# Altium PCB 4WD_V1.0 - 10x10.PcbDoc
Units mm, origin at the board's own origin, x right, y up, seen from the top; angles counter-clockwise.
Board outline 100 x 100 mm, 2 copper layers (Top Layer, Bottom Layer); 49 components, 40 nets, 181 pads, 0 vias.
Unrouted connection lines stored in the file: 127.
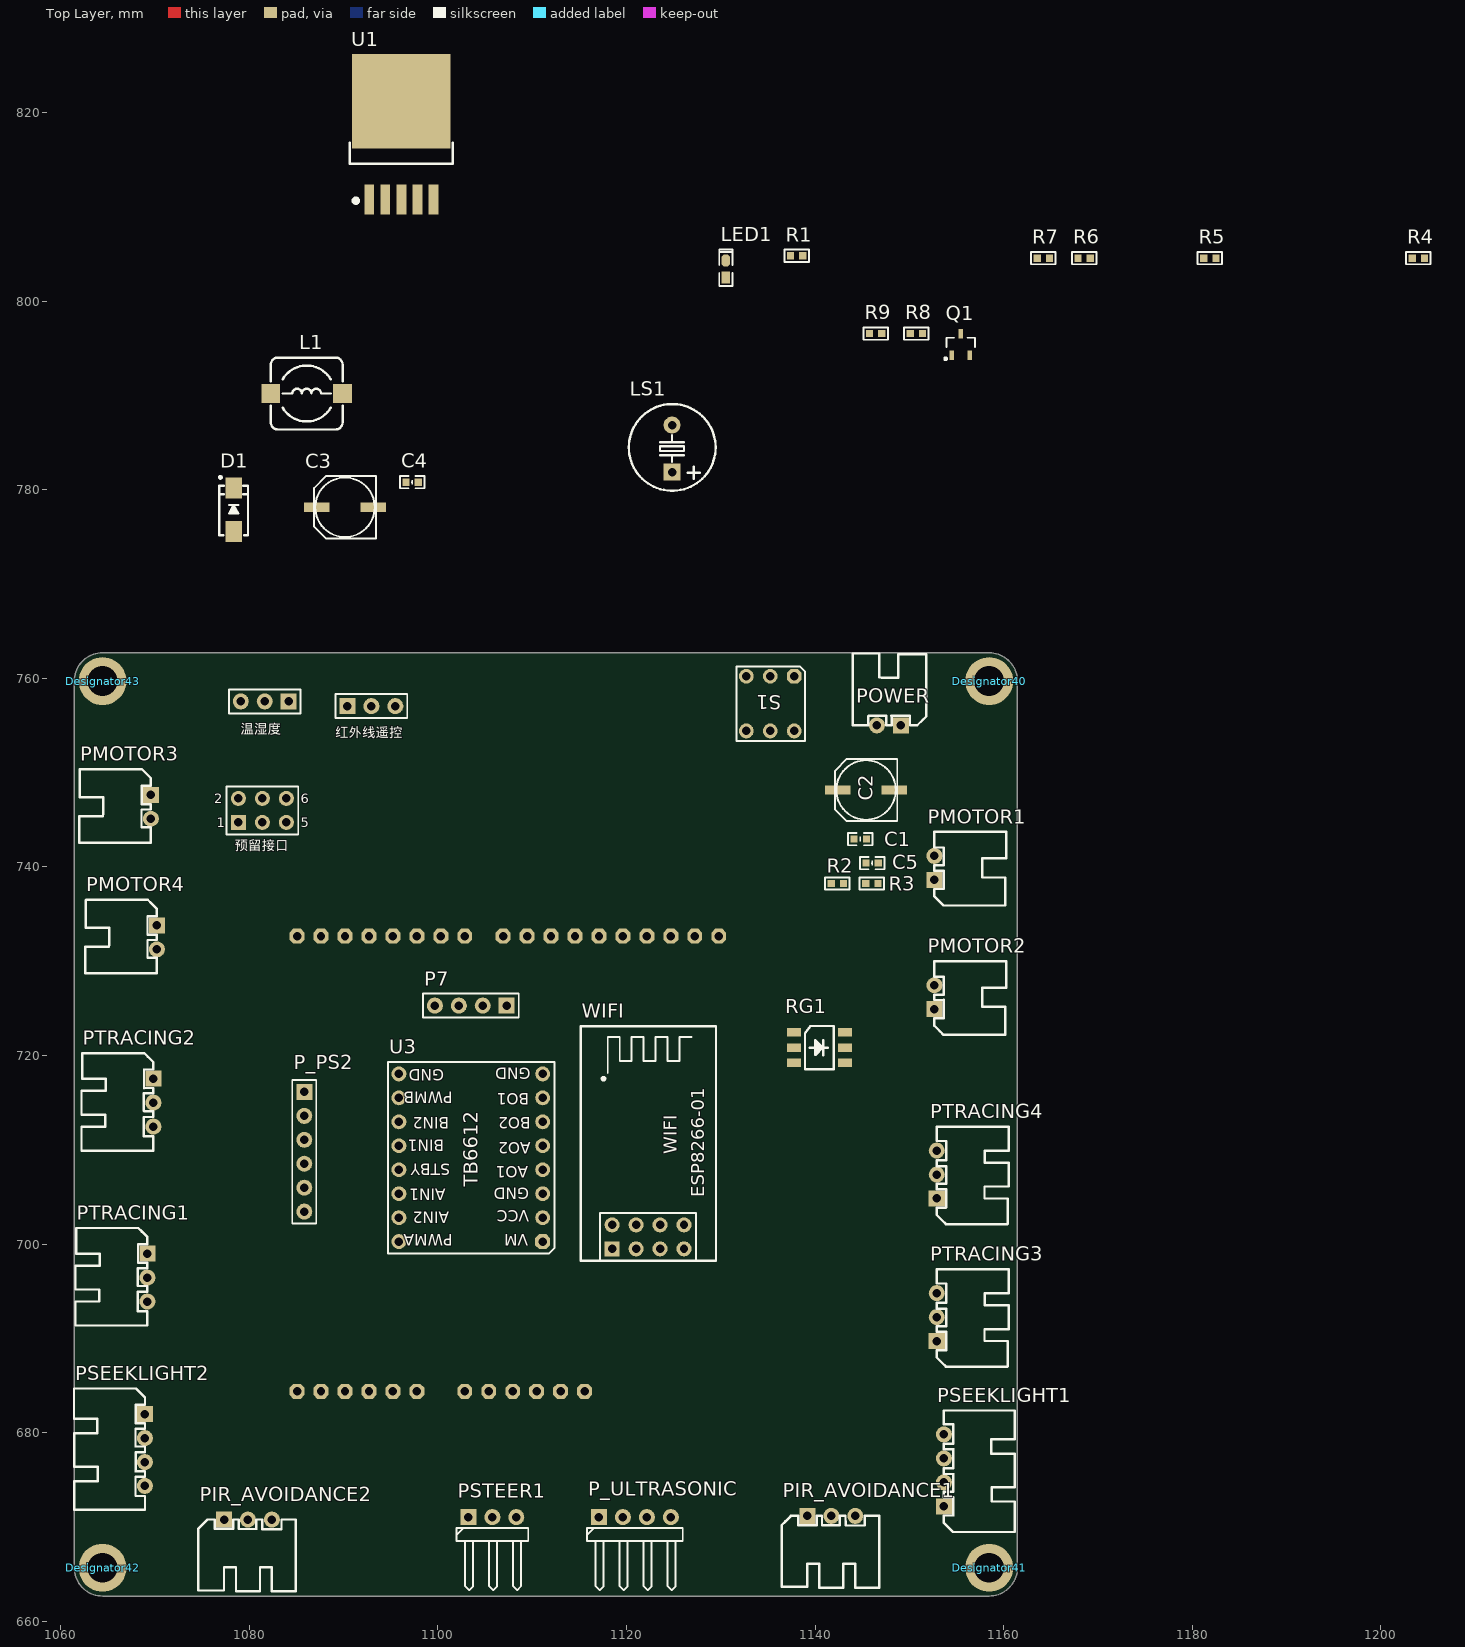
[diagram p0: Top Layer view]
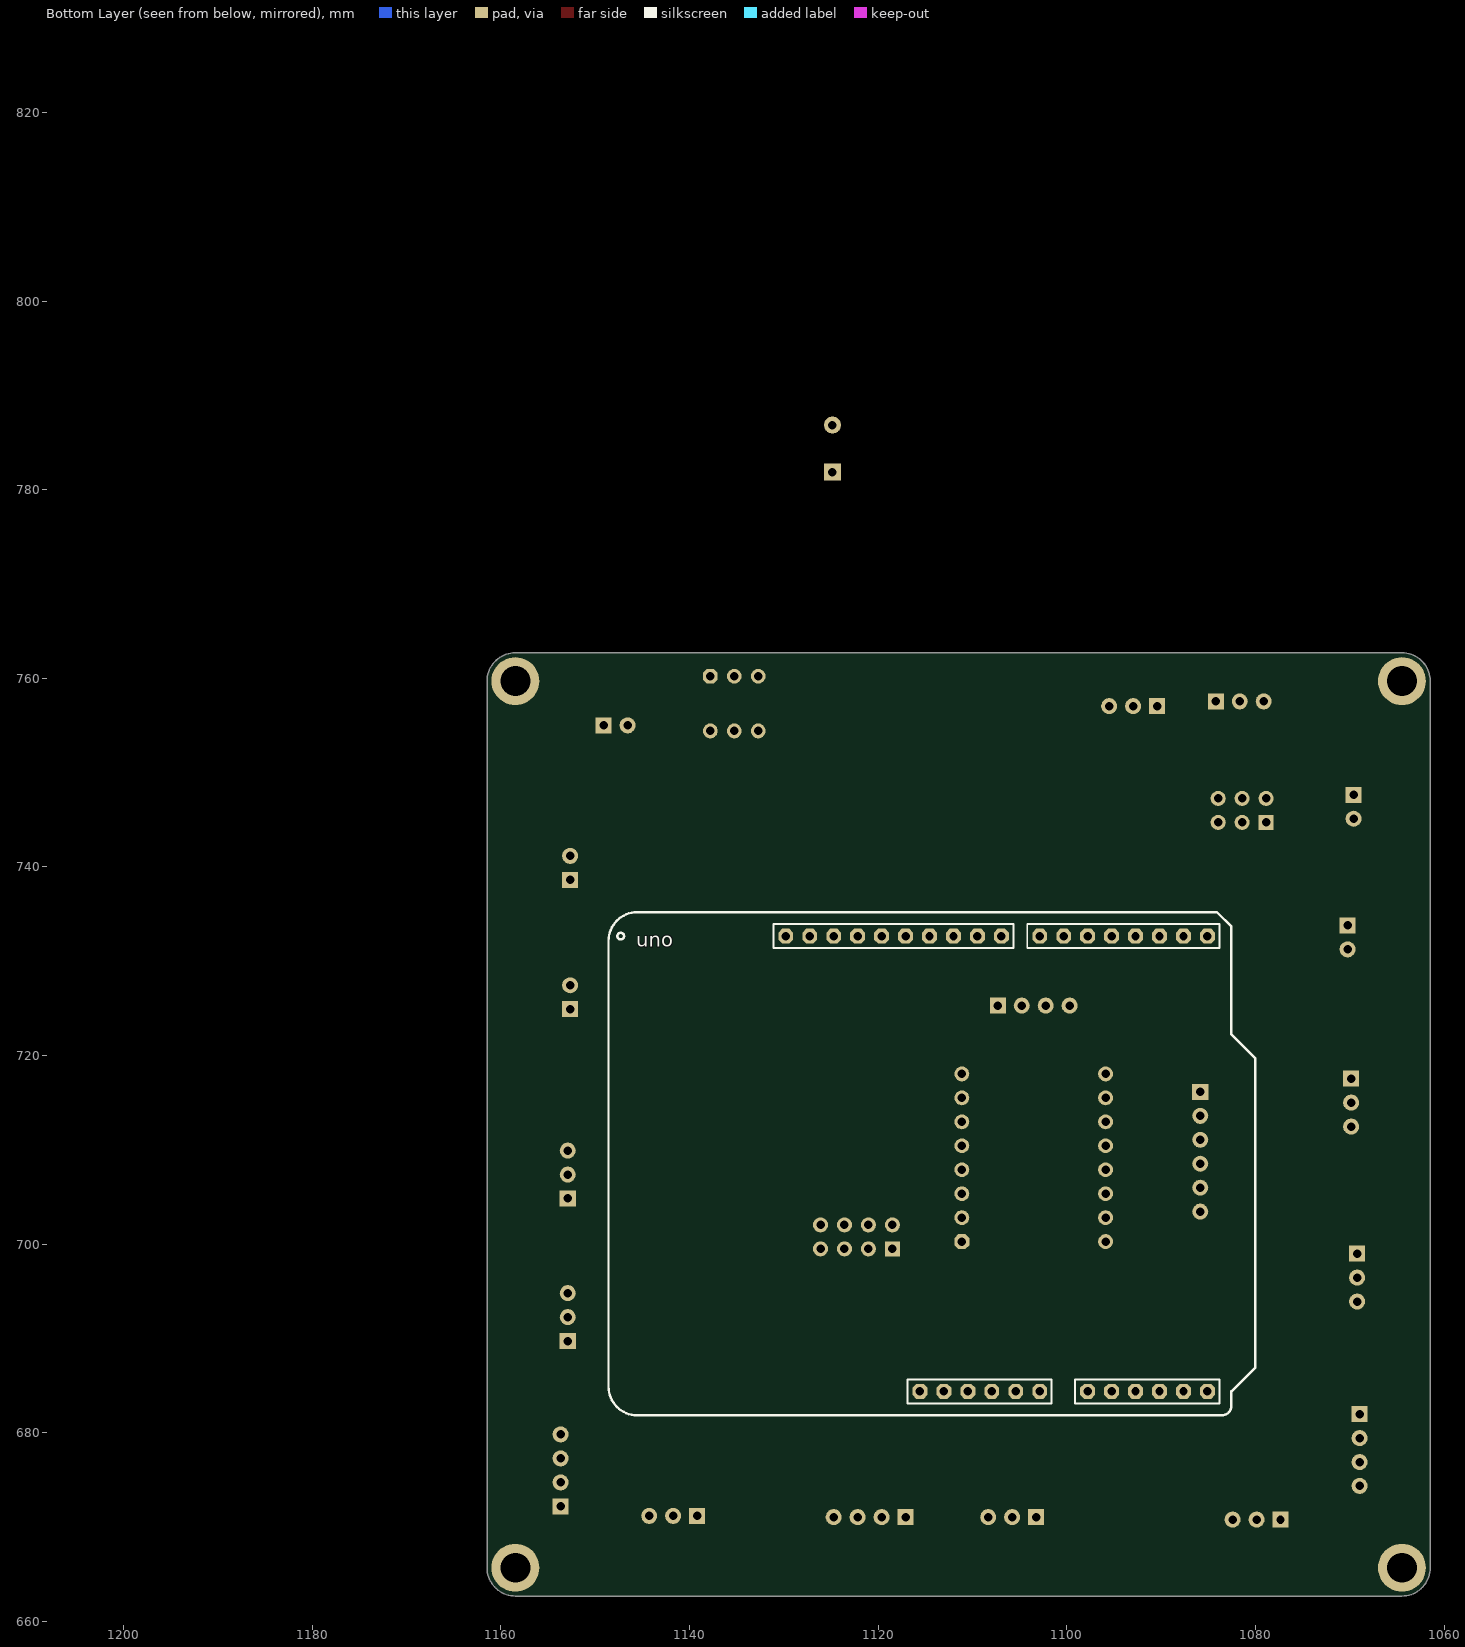
[diagram p1: Bottom Layer view, seen from below]

## Layer stack, top to bottom
Top Solder: solder mask 0.0102, Solder Resist, Dk 3.5
Top Layer: signal copper 0.0356
Dielectric 1: dielectric 0.32, FR-4, Dk 4.8
Bottom Layer: signal copper 0.0356
Bottom Solder: solder mask 0.0102, Solder Resist, Dk 3.5

## Board outline
1061.462,665.701 ccw(c1064.462,665.701) 1064.462,662.701 1158.462,662.701 ccw(c1158.462,665.701) 1161.462,665.701 1161.462,759.701 ccw(c1158.462,759.701) 1158.462,762.701 1064.462,762.701 ccw(c1064.462,759.701) 1061.462,759.701

## Design rules (kind name [scope] priority, off if disabled: settings)
Clearance [All] p1: gap=0.254
PolygonConnect [All] p1: connectstyle=Relief reliefconductorwidth=0.254 reliefentries=4 polygonreliefangle="90 Angle" airgapwidth=0.254
RoutingVias [All] p1: holewidth=0.711 width=1.27 viastyle="Through Hole" minholewidth=0.711 minwidth=1.27 maxholewidth=0.711 maxwidth=1.27
SolderMaskExpansion [All] p1: expansion=0.102
Width [All] p1: maxlimit=0.254 minlimit=0.254 preferedwidth=0.254
30 further rules are at their usual default settings.

## Classes and differential pairs
component class 4WD_V1.0: C1 C2 C3 C4 C5 D1 LED1 LS1 P7 P_PS2 P_ULTRASONIC PIR_AVOIDANCE1 PIR_AVOIDANCE2 POWER PSEEKLIGHT1 PSEEKLIGHT2 PSTEER1 PTRACING1 PTRACING2 PTRACING3 PTRACING4 Q1 R1 R2 R3 R4 R5 R6 R7 R8 R9 RG1 S1 U1 U3 uno WIFI 温湿度 红外线遥控 预留接口

## Components (designator, comment, footprint, x,y, rotation, side; value= is the part's Value field where it differs from the comment)
C1 "Cap" "C 0603_L" 1144.793,742.95 r180 top
C2 "CAP4 电解电容" CAP6.3 1145.413,748.157 r0 top
C3 "CAP4 电解电容" CAP6.3 1090.168,778.129 r0 top
C4 "Cap" "C 0603_L" 1097.28,780.796 r0 top
C5 "Cap" "C 0603_L" 1146.048,740.41 r0 top
D1 "esd2" SMA 1078.357,777.875 r90 top
Designator40 "Comment" M3x10_L 1158.462,759.701 r0 top locked
Designator41 "Comment" M3x10_L 1158.462,665.701 r0 top locked
Designator42 "Comment" M3x10_L 1064.462,665.701 r0 top locked
Designator43 "Comment" M3x10_L 1064.462,759.701 r0 top locked
L1 "Comment" CDRH74 1086.104,790.194 r0 top
LED1 "LED3" "LED 0603Y" 1130.554,803.402 r90 top
LS1 "Bell" "BEEP 5x9x5.5" 1124.839,784.352 r0 top
P7 "serial_blu" HDR2.54-M-LI-4P 1103.503,725.297 r180 top
P_PS2 "Header 6" HDR2.54-LI-6P 1085.85,709.803 r270 top
P_ULTRASONIC "Header 4" HDR2.54-WI-4P 1120.902,671.068 r0 top
PIR_AVOIDANCE1 "Header 3" XH2.54-WI-3P 1141.73,671.195 r0 top
PIR_AVOIDANCE2 "Header 3" XH2.54-WI-3P 1079.881,670.814 r0 top
PMOTOR1 "Comment" XH2.54-WI-2P 1152.652,739.902 r90 top
PMOTOR2 "Comment" XH2.54-WI-2P 1152.652,726.186 r90 top
PMOTOR3 "Comment" XH2.54-WI-2P 1069.594,746.379 r270 top
PMOTOR4 "Comment" XH2.54-WI-2P 1070.229,732.536 r270 top
POWER "接线端子" XH2.54-WI-2P 1147.826,755.015 r180 top (schematic designator P2)
PSEEKLIGHT1 "Header 4" XH2.54-WI-4P 1153.668,676.021 r90 top
PSEEKLIGHT2 "Header 4" XH2.54-WI-4P 1068.959,678.18 r270 top
PSTEER1 "Header 3" HDR2.54-WI-3P 1105.789,671.068 r0 top
PTRACING1 "Header 3" XH2.54-WI-3P 1069.213,696.468 r270 top
PTRACING2 "Header 3" XH2.54-WI-3P 1069.848,715.01 r270 top
PTRACING3 "Header 3" XH2.54-WI-3P 1152.906,692.277 r90 top
PTRACING4 "Header 3" XH2.54-WI-3P 1152.906,707.39 r90 top
Q1 "8550" SOT23-3L 1155.446,795.401 r0 top
R1 "Res2" "R 0603_L" 1138.047,804.799 r0 top
R2 "Res2" "R 0603_L" 1142.365,738.251 r0 top
R3 "Res2" "R 0603_L" 1146.033,738.251 r0 top
R4 "Res2" "R 0603_L" 1203.96,804.545 r0 top
R5 "Res2" "R 0603_L" 1181.862,804.545 r0 top
R6 "Res2" "R 0603_L" 1168.527,804.545 r0 top
R7 "Res2" "R 0603_L" 1164.209,804.545 r0 top
R8 "Res2" "R 0603_L" 1150.747,796.544 r0 top
R9 "Res2" "R 0603_L" 1146.429,796.544 r0 top
RG1 "RGB_LED_6" "LED 5050" 1140.46,720.852 r0 top
S1 "开关" SWITCH_SELFLOCKING 1137.793,760.222 r180 top
U1 "LM2596-5" TO263-5A 1096.137,810.768 r0 top
U3 "TB6612" TB6612 1111.123,700.278 r90 top
uno "uno_pin" UNO_PIN 1085.088,732.663 r0 bottom
WIFI "Header 4X2" wifi 1122.299,700.786 r90 top
温湿度 "温湿度" HDR2.54-M-LI-3P 1081.659,757.555 r180 top (schematic designator P_TMP_WET)
红外线遥控 "红外遥控" HDR2.54-M-LI-3P 1092.962,757.047 r0 top (schematic designator P_IR_REMOTE)
预留接口 "预留接口" HDR2.54-LI-2x3P 1081.405,745.998 r0 top (schematic designator P_INTERFACE)

## Footprints (in the part's own frame and the unit in brackets; to place one, negate y for a bottom-side part, rotate by r counter-clockwise, add the part's x,y. Pads: shape width x height; smd on the part's side, far side on the other; paste and mask are expansions set on the pad)
"BEEP 5x9x5.5" [mm] "5*9*5.5mm(脚距,直径,高度)"
  rect 1.8x1.8 hole 0.9: 1(0,-2.5)
  round 1.8 hole 0.9: 2(0,2.5)
  silkscreen extent -4.58,-4.47 4.62,4.72, body extent -4.5,-4.5 4.5,4.5, height 5.45
"C 0603_L" [mil] "无极性贴片电容"
  rect 30x30 smd: 1(-25.59,0) 2(25.59,0)
  silkscreen extent -51,-26 51,26, body extent -31,-16 31,16, height 32
CAP6.3 [mm] "直径6.3mm（蒜米工坊）"
  rect 2.7x1 smd: 1(-3,0) 2(3,0)
  silkscreen extent -3.3,-3.3 3.3,3.3, body extent -3.5,-3.3 3.5,3.3, height 5.2
CDRH74 [mm] "7.3*7.3*4.5mm（长宽高）"
  rect 2x2 smd: 1(-3.81,0) 2(3.81,0)
  silkscreen extent -3.81,-3.81 3.81,3.81, body extent -3.65,-3.65 3.65,3.65, height 4.5
HDR2.54-LI-2x3P [mm] "双排排针，3x2脚"
  rect 1.6x1.6 hole 0.9: 1(-2.54,-1.27)
  round 1.6 hole 0.9: 2(-2.54,1.27) 3(0,-1.27) 4(0,1.27) 5(2.54,-1.27) 6(2.54,1.27)
  silkscreen extent -3.81,-2.54 3.81,2.54, body extent -3.81,-2.54 3.81,2.54, height 8.5
HDR2.54-LI-6P [mm] "排针，6脚"
  rect 1.7x1.7 hole 0.9: 1(-6.35,0)
  round 1.7 hole 0.9: 2(-3.81,0) 3(-1.27,0) 4(1.27,0) 5(3.81,0) 6(6.35,0)
  silkscreen extent -7.62,-1.27 7.62,1.27, body extent -7.62,-1.27 7.62,1.27, height 8.5
HDR2.54-M-LI-3P [mm] "排母，3脚"
  rect 1.7x1.7 hole 0.9: 1(-2.54,0)
  round 1.7 hole 0.9: 2(0,0) 3(2.54,0)
  silkscreen extent -3.81,-1.27 3.81,1.27, body extent -3.81,-1.27 3.81,1.27, height 8.5
HDR2.54-M-LI-4P [mm] "排母，4脚"
  rect 1.7x1.7 hole 0.9: 1(-3.81,0)
  round 1.7 hole 0.9: 2(-1.27,0) 3(1.27,0) 4(3.81,0)
  silkscreen extent -5.08,-1.27 5.08,1.27, body extent -5.08,-1.27 5.08,1.27, height 8.5
HDR2.54-WI-3P [mm] "弯脚排针，3脚"
  rect 1.7x1.7 hole 0.9: 1(-2.54,0)
  round 1.7 hole 0.9: 2(0,0) 3(2.54,0)
  silkscreen extent -3.81,-7.76 3.81,-1.14, body extent -3.81,-7.77 3.81,1.27, height 4.85
HDR2.54-WI-4P [mm] "弯脚排针，4脚"
  rect 1.7x1.7 hole 0.9: 1(-3.81,0)
  round 1.7 hole 0.9: 2(-1.27,0) 3(1.27,0) 4(3.81,0)
  silkscreen extent -5.08,-7.76 5.08,-1.14, body extent -5.08,-7.77 5.08,1.27, height 4.85
"LED 0603Y" [mil] "黄色0603LED"
  rect 50x35 smd: 1(-35,0)
  oct 50x35 smd: 2(35,0)
  silkscreen extent -71,-28 81,28, body extent -32,-16 31,16, height 18
"LED 5050" [mm] "白色5050LED"
  rect 1.5x0.9 smd: 1(-2.705,1.6) 2(2.705,1.6) 3(-2.705,0) 4(2.705,0) 5(-2.705,-1.6) 6(2.705,-1.6)
  silkscreen extent -1.52,-2.29 1.52,2.29, body extent -2.7,-2.5 2.7,2.5, height 1.65
M3x10_L [mm] "M3铜柱，长：10mm"
  round 5.08 hole 3.175: 1(0,0)
  body extent -2.7,-2.35 2.7,2.35, height 10.05
"R 0603_L" [mil] "1/10W贴片电阻"
  rect 30x30 smd: 1(-25.59,0) 2(25.59,0)
  silkscreen extent -51,-26 51,26, body extent -31,-16 32,16, height 16
SMA [mm] "4.5x2.6*2.2mm（长宽高，不包括引脚）"
  rect 2.2x1.75 smd: 1(-2.3,0) 2(2.3,0)
  silkscreen extent -2.7,-1.52 3.56,1.52, body extent -2.53,-1.3 2.58,1.3, height 2.15
SOT23-3L [mm] "3x1.3x1mm(长宽高)"
  rect 0.45x1 smd: 1(-0.95,-1.143) 2(0.95,-1.143) 3(0,1.125)
  silkscreen extent -1.72,-1.65 1.5,0.7, body extent -1.5,-1.2 1.5,1.2, height 1.05
SWITCH_SELFLOCKING [mil]
  oct 62x62 hole 36: 1(0,0)
  round 62 hole 36: 2(100,0) 3(200,0) 4(0,228.35) 5(100,228.35) 6(200,228.35)
  silkscreen extent -45,-40 240,270, body extent -55,-42 260,272, height 516
TB6612 [mil]
  oct 62x62 hole 36: 1(0,0)
  round 62 hole 36: 2(100,0) 3(200,0) 4(300,0) 5(400,0) 6(500,0) 7(600,0) 8(700,0) 9(700,600) 10(600,600) 11(500,600) 12(400,600) 13(300,600) 14(200,600) 15(100,600) 16(0,600)
  silkscreen extent -50,-50 750,645, body extent -50,-50 750,650, height 335
TO263-5A [mm] "263，5脚晶体管"
  rect 1.05x3.2 smd: 1(-3.4,0) 2(-1.7,0) 3(0,0) 4(1.7,0) 5(3.4,0)
  rect 10.45x10 smd: 3(0,10.414)
  silkscreen extent -5.46,-0.33 5.46,6.04, body extent -5,-0.01 5,13.32, height 4.5
UNO_PIN [mil]
  oct 62x62 hole 35: 0(0,0) 0(0,0) 1(100,0) 2(200,0) 3(300,0) 4(400,0) 5(500,0) 6(600,0) 7(700,0) 8(860,0) 9(960,0) 10(1060,0) 11(1160,0) 12(1260,0) 13(1360,0) 14(1460,0) 15(1560,0) 16(1660,0) 17(1760,0) 18(0,1900) 19(100,1900) 20(200,1900) 21(300,1900) 22(400,1900) 23(500,1900) 24(700,1900) 25(800,1900) 26(900,1900) 27(1000,1900) 28(1100,1900) 29(1200,1900)
  silkscreen extent -200,-100 2500,2000, body extent -50,-50 1810,1950, height 335
wifi [mm] "双排排针，4x2脚"
  rect 1.6x1.6 hole 0.9: 1(-1.27,3.81)
  round 1.6 hole 0.9: 2(1.27,3.81) 3(-1.27,1.27) 4(1.27,1.27) 5(-1.27,-1.27) 6(1.27,-1.27) 7(-1.27,-3.81) 8(1.27,-3.81)
  silkscreen extent -2.54,-7.2 22.34,7.15, body extent -2.54,-5.08 2.54,5.08, height 8.5
XH2.54-WI-2P [mm] "接插件，2P"
  rect 1.7x1.7 hole 0.9: 1(-1.27,0)
  round 1.7 hole 0.9: 2(1.27,0)
  silkscreen extent -3.99,-7.62 3.81,0, body extent -3.77,-7.35 3.77,0.35, height 5.73
XH2.54-WI-3P [mm] "接插件，3P"
  rect 1.7x1.7 hole 0.9: 1(-2.54,0)
  round 1.7 hole 0.9: 2(0,0) 3(2.54,0)
  silkscreen extent -5.26,-7.62 5.08,0, body extent -5.04,-7.35 5.04,0.35, height 5.73
XH2.54-WI-4P [mm] "接插件，4P"
  rect 1.7x1.7 hole 0.9: 1(-3.81,0)
  round 1.7 hole 0.9: 2(-1.27,0) 3(1.27,0) 4(3.81,0)
  silkscreen extent -6.53,-7.53 6.35,0, body extent -6.31,-7.35 6.31,0.35, height 5.73

## Part data
C1 C2 C3 C4 C5: "Capacitor"
D1: library part DIODE2
LED1: library part LED2, "Typical RED, GREEN, YELLOW, AMBER GaAs LED"
LS1: "Electrical Bell"
P7: library part "Header 4", "Header, 4-Pin"
P_PS2: "Header, 6-Pin"
P_ULTRASONIC PSEEKLIGHT1 PSEEKLIGHT2: "Header, 4-Pin"
PIR_AVOIDANCE1 PIR_AVOIDANCE2 PSTEER1 PTRACING1 PTRACING2 PTRACING3 PTRACING4: "Header, 3-Pin"
POWER: library part PIN2
Q1: library part 2N3906, "PNP General Purpose Amplifier"
R1 R2 R3 R4 R5 R6 R7 R8 R9: "Resistor"
S1: library part switch
U1: library part LM2560-5
WIFI: "Header, 4-Pin, Dual row"
温湿度 红外线遥控: library part "Header 3", "Header, 3-Pin"
预留接口: library part "Header 3X2", "Header, 3-Pin, Dual row"

## Nets (pads, with @x,y where several pads share a name; then routed paths per layer and width w, separated by ;. In a path a pad name is that pad's centre, name@x,y a point inside that pad or via, vN(x,y) a via of type N, cw(c..) or ccw(c..) an arc to the next point about the centre after c; other vN are vias at no path point)
+5V: C3.1 C4.2 L1.2 P7.1 P_PS2.3 P_ULTRASONIC.4 PIR_AVOIDANCE1.3 PIR_AVOIDANCE2.3 PSEEKLIGHT1.4 PSEEKLIGHT2.4 PSTEER1.2 PTRACING1.3 PTRACING2.3 PTRACING3.3 PTRACING4.3 R1.1 R5.1 R6.1 R7.1 U1.4 U3.2 U3.13 uno.27 温湿度.3 预留接口.2
A0: C5.1 R2.2 R3.1 R8.2 uno.23
A1: PIR_AVOIDANCE2.1 PTRACING2.1 uno.22
A2: PSEEKLIGHT1.2 PTRACING1.1 uno.21 温湿度.2
A3: PIR_AVOIDANCE1.1 PTRACING3.1 uno.20
A4: PSEEKLIGHT2.2 PTRACING4.1 uno.19
A5: P_PS2.1 R9.2 uno.18 红外线遥控.3 预留接口.5
AIN1: U3.14 uno.8
AIN2: U3.15 uno.7
AO1: PMOTOR3.1 PMOTOR4.1 U3.4
AO2: PMOTOR3.2 PMOTOR4.2 U3.5
BIN1: U3.12 uno.2
BIN2: U3.11 uno.4
BO1: PMOTOR1.2 PMOTOR2.2 U3.7
BO2: PMOTOR1.1 PMOTOR2.1 U3.6
CH_PD: LS1.1 R4.1 R9.1 uno.28 WIFI.3 红外线遥控.2 预留接口.4
D0: P7.3 uno.0 WIFI.1
D1: P7.4 uno.1 WIFI.8
D3: P_PS2.2 PSTEER1.1 uno.3
D5: U3.10 uno.5
D6: U3.16 uno.6
D9: RG1.6 uno.9
D10: RG1.4 uno.10 预留接口.3
D11: RG1.2 uno.11 预留接口.1
D12: P_PS2.5 P_ULTRASONIC.2 uno.12
D13: P_PS2.6 P_ULTRASONIC.3 uno.13
GND: C1.1 C2.2 C3.2 C4.1 C5.2 D1.1 LED1.2 P7.2 P_PS2.4 P_ULTRASONIC.1 PIR_AVOIDANCE1.2 PIR_AVOIDANCE2.2 POWER.1 PSEEKLIGHT1.3 PSEEKLIGHT2.3 PSTEER1.3 PTRACING1.2 PTRACING2.2 PTRACING3.2 PTRACING4.2 Q1.3 R3.2 U1.3 U1.5 U3.3 U3.8 U3.9 uno.14 uno.25 uno.26 WIFI.2 温湿度.1 红外线遥控.1 预留接口.6
GPIO0: WIFI.6
GPIO2: WIFI.4
NetD1_2: D1.2 L1.1 U1.2
NetLED1_1: LED1.1 R1.2
NetLS1_2: LS1.2 Q1.2
NetQ1_1: Q1.1 R8.1
NetR5_2: R5.2 RG1.5
NetR6_2: R6.2 RG1.3
NetR7_2: R7.2 RG1.1
POWER: C1.2 C2.1 R2.1 S1.2 S1.5 U1.1 U3.1
POWER_DC: POWER.2 S1.1 S1.4
RST: WIFI.5
VCC: R4.2 WIFI.7
pads on no net: Designator40.1 Designator41.1 Designator42.1 Designator43.1 PSEEKLIGHT1.1 PSEEKLIGHT2.1 S1.3 S1.6 uno.15 uno.16 uno.17 uno.24 uno.29

## Silkscreen, mask and mechanical layers (free items; w line width, h text height)
Mechanical 1:
  circle w0.013: c1158.462,665.701 r1.5
  circle w0.006: c1061.462,762.701 r0.003
  circle w0.006: c1161.462,762.701 r0.003
  circle w0.006: c1161.462,662.701 r0.003
  lines w0.013: 1061.462,665.701 ccw(c1064.462,665.701) 1064.462,662.701 1158.462,662.701 ccw(c1158.462,665.701) 1161.462,665.701 1161.462,759.701 ccw(c1158.462,759.701) 1158.462,762.701 1064.462,762.701 ccw(c1064.462,759.701) 1061.462,759.701 1061.462,665.701

## Text inside footprints (layer, text, board x,y; h text height)
U3: Top Overlay "AIN2" at 1101.217,703.453 h1.2 r180; Top Overlay "AIN1" at 1100.836,705.866 h1.2 r180; Top Overlay "STBY" at 1101.344,708.533 h1.2 r180; Top Overlay "BIN1" at 1100.709,711.073 h1.2 r180; Top Overlay "BIN2" at 1101.217,713.486 h1.2 r180; Top Overlay "PWMB" at 1101.598,716.153 h1.2 r180; Top Overlay "GND" at 1100.709,718.566 h1.2 r180; Top Overlay "GND" at 1109.853,718.693 h1.2 r180; Top Overlay "BO1" at 1109.726,716.026 h1.2 r180; Top Overlay "BO2" at 1109.853,713.486 h1.2 r180; Top Overlay "AO2" at 1109.853,710.819 h1.2 r180; Top Overlay "AO1" at 1109.599,708.279 h1.2 r180; Top Overlay "GND" at 1109.726,705.993 h1.2 r180; Top Overlay "VCC" at 1109.726,703.58 h1.2 r180; Top Overlay "VM" at 1109.599,701.04 h1.2 r180; Top Overlay "PWMA" at 1101.598,701.04 h1.2 r180
WIFI: Top Overlay "ESP8266-01" at 1128.268,704.977 h1.4 r90
预留接口: Top Overlay "1" at 1076.579,744.22 h1.02; Top Overlay "2" at 1076.325,746.76 h1.02; Top Overlay "5" at 1085.469,744.22 h1.02; Top Overlay "6" at 1085.469,746.76 h1.02